# KiCad board smoothiev2-prime.kicad_pcb (continued)
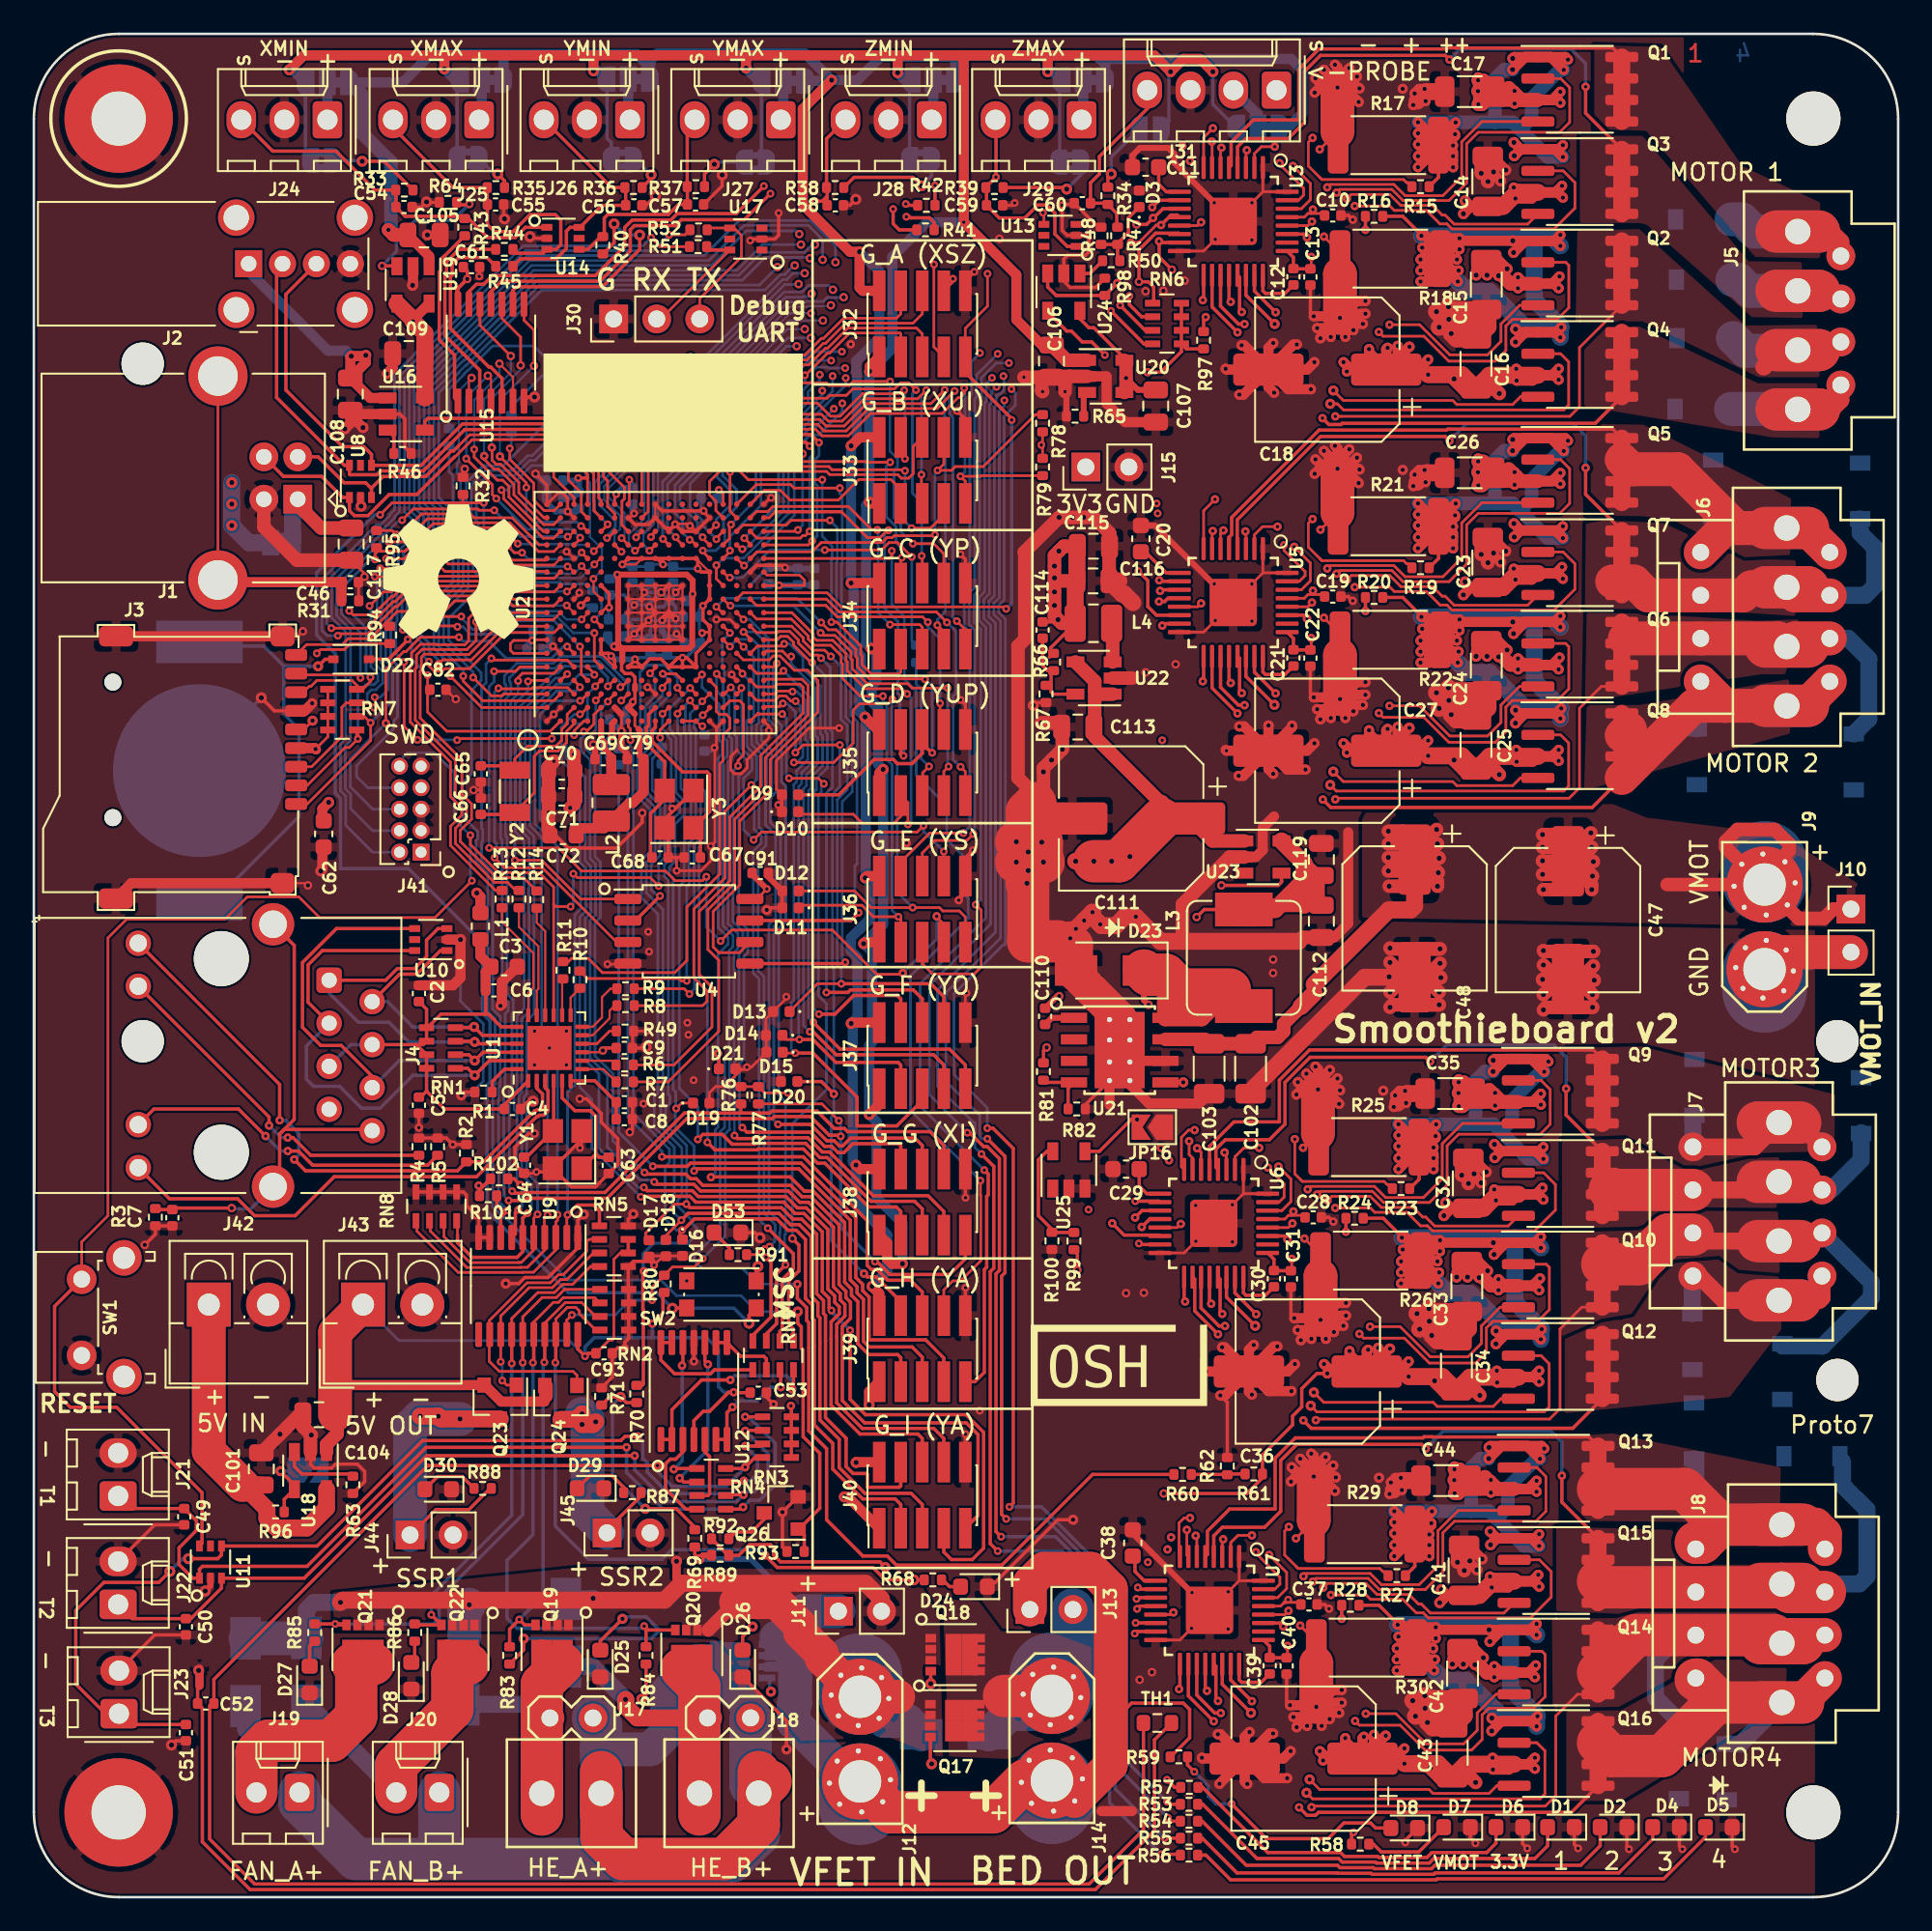
[diagram p0: board, top side]
## Placement (name value [footprint] x y rotation side) (continued)
R21  R  [R_2512_6332Metric]  79.92 80.93 180 top
R22  R  [R_2512_6332Metric]  80.03 74.23 180 top
R23  47R  [R_0402_1005Metric]  80.67 41.83 180 top
R24  47R  [R_0402_1005Metric]  77.93 40.08 180 top
R25  R  [R_2512_6332Metric]  78.77 44.28 180 top
R26  R  [R_2512_6332Metric]  78.88 37.58 180 top
R27  47R  [R_0402_1005Metric]  80.42 18.98 180 top
R28  47R  [R_0402_1005Metric]  77.68 17.23 180 top
R29  R  [R_2512_6332Metric]  78.52 21.43 180 top
R30  R  [R_2512_6332Metric]  78.63 14.73 180 top
R31  DNP  [R_0402_1005Metric]  18.66 76.53 0 top
R32  10k  [R_0402_1005Metric]  25.32 83.31 270 top
R33  10k  [R_0402_1005Metric]  21.86 100.78 180 top
R34  10k  [R_0402_1005Metric]  63.37 100.44 270 top
R35  10k  [R_0402_1005Metric]  27.26 100.93 180 top
R36  10k  [R_0402_1005Metric]  35.38 100.93 180 top
R37  10k  [R_0402_1005Metric]  39.06 100.98 180 top
R38  10k  [R_0402_1005Metric]  47.28 100.93 180 top
R39  10k  [R_0402_1005Metric]  56.68 100.93 180 top
R40  1k  [R_0402_1005Metric]  33.57 97.52 90 top
R41  1k  [R_0402_1005Metric]  52.61 98.43 0 top
R42  1k  [R_0402_1005Metric]  52.66 99.88 0 top
R43  1k  [R_0402_1005Metric]  25.42 98.59 90 top
R44  1k  [R_0402_1005Metric]  27.76 97.28 0 top
R45  1k  [R_0402_1005Metric]  27.76 96.28 0 top
R46  4.7k  [R_0402_1005Metric]  21.75 85.23 0 top
R47  7.1k  [R_0402_1005Metric]  63.95 98.08 90 top
R48  1k  [R_0402_1005Metric]  62.97 98.08 270 top
R49  10k  [R_0402_1005Metric]  34.88 51.13 0 top
R50  1k  [R_0402_1005Metric]  63.57 96.61 0 top
R51  100R  [R_0402_1005Metric]  39.19 97.44 0 top
R52  100R  [R_0402_1005Metric]  39.22 98.43 0 top
R53  1k  [R_0402_1005Metric]  68.16 5.48 0 top
R54  1k  [R_0402_1005Metric]  68.16 4.48 0 top
R55  1k  [R_0402_1005Metric]  68.16 3.48 0 top
R56  1k  [R_0402_1005Metric]  68.16 2.48 0 top
R57  1k  [R_0402_1005Metric]  68.18 6.48 0 top
R58  10k  [R_0402_1005Metric]  78.26 3.13 0 top
R59  10k  [R_0402_1005Metric]  67.56 8.28 0 top
R60  1k  [R_0402_1005Metric]  67.78 24.95 180 top
R61  100k  [R_0402_1005Metric]  71.98 24.98 180 top
R62  10k  [R_0402_1005Metric]  70.42 25.45 90 top
R63  4.7k  [R_0402_1005Metric]  18.82 24.34 270 top
R64  21.5k  [R_0402_1005Metric]  24.43 100.06 180 top
R65  21.5k  [R_0402_1005Metric]  61.43 87.43 180 top
R66  21.5k  [R_0402_1005Metric]  60.17 72.92 270 top
R67  4.7k  [R_0402_1005Metric]  59.72 71.03 270 top
R68  1k  [R_0402_1005Metric]  53.05 18.73 180 top
R69  100k  [R_0402_1005Metric]  38.99 21.18 270 top
R70  1k  [R_0402_1005Metric]  35.57 29.7 270 top
R71  10k  [R_0402_1005Metric]  33.5 29.56 270 top
R72  100R  [R_0402_1005Metric]  51.14 69.17 270 bottom
R73  100R  [R_0402_1005Metric]  52.07 73.39 270 bottom
R74  100R  [R_0402_1005Metric]  24.5 86.19 90 bottom
R75  100R  [R_0402_1005Metric]  28.17 86.97 90 bottom
R76  1k  [R_0402_1005Metric]  41.72 47.34 90 top
R77  1k  [R_0402_1005Metric]  42.74 47.34 90 top
R78  1k  [R_0402_1005Metric]  59.52 87.02 270 top
R79  1k  [R_0402_1005Metric]  59.52 84.43 90 top
R80  10k  [R_0402_1005Metric]  37.2 36.2 270 top
R81  10k  [R_0402_1005Metric]  59.57 48.74 270 top
R82  3.24k  [R_0402_1005Metric]  61.54 46.53 0 top
R83  1k  [R_0402_1005Metric]  28.07 14.27 90 top
R84  1k  [R_0402_1005Metric]  36.12 14.27 90 top
R85  1k  [R_0402_1005Metric]  16.57 15.62 90 top
R86  1k  [R_0402_1005Metric]  22.47 15.62 90 top
R87  1k  [R_0402_1005Metric]  35.31 23.88 180 top
R88  1k  [R_0402_1005Metric]  26.48 24.13 180 top
R89  21.5k  [R_0402_1005Metric]  40.49 20.18 180 top
R90  10k  [R_0402_1005Metric]  32.97 76.63 90 bottom
R91  1k  [R_0402_1005Metric]  41.55 37.93 180 top
R92  10k  [R_0402_1005Metric]  40.49 21.16 180 top
R93  10k  [R_0402_1005Metric]  44.95 20.41 0 top
R94  10k  [R_0402_1005Metric]  21 74.52 270 top
R95  10k  [R_0402_1005Metric]  20.22 80.17 90 top
R96  10k  [R_0402_1005Metric]  14.26 22.74 180 top
R97  8.2k  [R_0402_1005Metric]  69.02 91.91 270 top
R98  1k  [R_0402_1005Metric]  63.2 95.06 270 top
R99  56k  [R_0402_1005Metric]  61.37 38.73 270 top
R100  21.5k  [R_0402_1005Metric]  60.07 38.74 90 top
R101  10k  [R_0402_1005Metric]  26.81 41.41 180 top
R102  10k  [R_0402_1005Metric]  27.45 42.41 180 top
RN1  49.9R  [R_Array_Concave_4x0603]  24.02 50.13 180 top
RN2  10k  [R_Array_Concave_4x0603]  34.24 34.68 180 top
RN3  4.7k  [R_Array_Concave_4x0603]  43.85 27.16 0 top
RN4  4.7k  [R_Array_Concave_4x0603]  39.97 24.11 180 top
RN5  10k  [R_Array_Concave_4x0603]  34.22 38.43 180 top
RN6  10k  [R_Array_Concave_4x0603]  66.86 92.9 0 top
RN7  10k  [R_Array_Concave_4x0603]  18.2 70.11 0 top
RN8  10k  [R_Array_Concave_4x0603]  23.75 40.78 270 top
RN9  4.7k  [R_Array_Concave_4x0603]  43.62 31.98 270 top
SW1  SW_Push  [SW_Tactile_SPST_Angled_PTS645Vx58-2LFS]  2.82 31.98 90 top
SW2  TS-1185EC-C-D-B  [SW_Push_1P1T_NO_CK_KMR2]  40.57 35.58 180 top
TH1  ~  [R_0603_1608Metric]  66.3 10.28 0 top
U1  LAN8720A  [QFN-24-1EP_4x4mm_P0.5mm_EP2.6x2.6mm]  30.42 50.13 90 top
U2  STM32H745XIHx  [TFBGA-265_14x14mm_Layout17x17_P0.8mm]  36.67 75.83 90 top
U3  TMC2590  [TMC2590-TA-T]  70.77 98.93 270 top
U4  AT25SF081-SSHF-X  [SOIC-8_5.23x5.23mm_P1.27mm]  38.65 57.02 0 top
U5  TMC2590  [TMC2590-TA-T]  70.77 76.43 270 top
U6  TMC2590  [TMC2590-TA-T]  69.62 39.78 270 top
U7  TMC2590  [TMC2590-TA-T]  69.37 16.93 270 top
U8  TPD4E1U06DCKR  [SOT-363_SC-70-6]  19.27 83.58 90 top
U9  74HCT541  [TSSOP-20_4.4x6.5mm_P0.65mm]  29.17 36.08 270 top
U10  TPD4E1U06DCKR  [SOT-363_SC-70-6]  23.42 56.53 180 top
U11  TPD4E1U06DCKR  [SOT-363_SC-70-6]  10.42 19.78 90 top
U12  LMV324  [TSSOP-14_4.4x5mm_P0.65mm]  38.95 29.88 90 top
U13  TPD4E1U06DCKR  [SOT-363_SC-70-6]  60.55 98.11 180 top
U14  TPD4E1U06DCKR  [SOT-363_SC-70-6]  31.22 97.93 0 top
U15  74LCX07  [TSSOP-14_4.4x5mm_P0.65mm]  26.97 91.18 90 top
U16  MT9700  [SOT-23-5]  21.97 87.56 0 top
U17  TPD4E1U06DCKR  [SOT-363_SC-70-6]  42.01 97.89 180 top
U18  MT9700  [SOT-23-5]  16.32 25.18 270 top
U19  MT9700  [SOT-23-5]  22.37 95.18 270 top
U20  MT9700  [SOT-23-5]  63.24 89.78 0 top
U21  TPS5430DDA  [TI_SO-PowerPAD-8_ThermalVias]  64.07 50 0 top
U22  MT3410L  [SOT-23-5]  62.55 71.97 180 top
U23  AP22814AW5  [SOT-23-5]  72.52 61.41 0 top
U24  LMV331  [SOT-23-5]  60.77 94.75 270 top
U25  BD4722G  [SOT-23-5]  61.07 42.93 90 top
Y1  Crystal_GND24  [Crystal_SMD_3225-4Pin_3.2x2.5mm]  31.47 44.13 90 top
Y2  Crystal  [Crystal_SMD_3215-2Pin_3.2x1.5mm]  28.37 65.28 90 top
Y3  Crystal_GND24  [Crystal_SMD_3225-4Pin_3.2x2.5mm]  38.07 64.23 90 top

## Footprints (pads in the part's own frame, mm; a bottom-side part is the same pattern mirrored in y, then rotated)
BatteryHolder_LINX_BAT-HLD-012-SMT
  rect 2.5x5.1 smd: 1(-7.6,0) 1(7.6,0)
  round 10.2 smd: 2(0,0)
C_0402_1005Metric
  rrect 0.56x0.62 smd: 1(-0.48,0) 2(0.48,0)
C_0603_1608Metric
  rrect 0.9x0.95 smd: 1(-0.775,0) 2(0.775,0)
C_0805_2012Metric
  rrect 1x1.45 smd: 1(-0.95,0) 2(0.95,0)
C_1206_3216Metric
  rrect 1.15x1.8 smd: 1(-1.475,0) 2(1.475,0)
CONN_MOTOR
  oval 2.5x5 hole 1.5: 1(-5.25,2.54) 2(-1.75,2.54) 3(1.75,2.54) 4(5.25,2.54)
  round 1.7 hole 1: 1(-3.81,0) 2(-1.27,0) 3(1.27,0) 4(3.81,0)
CONN_MOTOR2
  oval 2.5x5 hole 1.5: 1(-5.25,2.54) 2(-1.75,2.54) 3(1.75,2.54) 4(5.25,2.54)
  round 1.7 hole 1: 1(-3.81,7.62) 1(-3.81,0) 2(-1.27,7.62) 2(-1.27,0) 3(1.27,7.62) 3(1.27,0) 4(3.81,7.62) 4(3.81,0)
CONN_SFET
  oval 2.5x5 hole 1.5: 1(-1.75,4.445) 2(1.75,4.445)
  round 1.7 hole 1: 1(-1.27,0) 2(1.27,0)
CP_Elec_8x11.9
  rrect 4.15x1.9 smd: 1(-3.475,0) 2(3.475,0)
Crystal_SMD_3215-2Pin_3.2x1.5mm
  rect 1x1.8 smd: 1(1.25,0) 2(-1.25,0)
Crystal_SMD_3225-4Pin_3.2x2.5mm
  rect 1.4x1.2 smd: 1(-1.1,-0.85) 2(1.1,-0.85) 3(1.1,0.85) 4(-1.1,0.85)
D_0402_1005Metric
  rrect 0.59x0.64 smd: 1(-0.485,0) 2(0.485,0)
D_SMA
  rect 2.5x1.8 smd: 1(-2,0) 2(2,0)
D_SOD-123
  rect 0.9x1.2 smd: 1(-1.65,0) 2(1.65,0)
D_SOD-323
  rect 0.6x0.45 smd: 1(-1.05,0) 2(1.05,0)
L_0603_1608Metric
  rrect 0.875x0.95 smd: 1(-0.787,0) 2(0.787,0)
L_1008_2520Metric
  rrect 1.25x2.2 smd: 1(-1.075,0) 2(1.075,0)
L_Sumida_CDMC6D28_7.25x6.5mm
  rect 2x3.4 smd: 1(-2.85,0) 2(2.85,0)
LED_0603_1608Metric
  rrect 0.875x0.95 smd: 1(-0.787,0) 2(0.787,0)
Molex_KK-254_AE-6410-02A_1x02_P2.54mm_Vertical
  rrect 1.74x2.19 hole 1.19: 1(0,0)
  oval 1.74x2.19 hole 1.19: 2(2.54,0)
Molex_KK-254_AE-6410-03A_1x03_P2.54mm_Vertical
  rrect 1.74x2.19 hole 1.19: 1(0,0)
  oval 1.74x2.19 hole 1.19: 2(2.54,0) 3(5.08,0)
Molex_KK-254_AE-6410-04A_1x04_P2.54mm_Vertical
  rrect 1.74x2.19 hole 1.19: 1(0,0)
  oval 1.74x2.19 hole 1.19: 2(2.54,0) 3(5.08,0) 4(7.62,0)
MountingHole_3.2mm_M3
  round 3.2 hole 3.2 unplated: (0,0)
MountingHole_3.2mm_M3_Pad
  round 6.4 hole 3.2: 1(0,0)
NetTie-2_SMD_Pad0.5mm
  round 0.5 smd: 1(-0.5,0) 2(0.5,0)
NetTie-2_SMD_Pad2.0mm
  round 2 smd: 1(-1.3,0) 2(1.3,0)
PinHeader_1x02_P2.54mm_Vertical
  rect 1.7x1.7 hole 1: 1(0,0)
  oval 1.7x1.7 hole 1: 2(0,-2.54)
PinHeader_1x03_P2.54mm_Vertical
  rect 1.7x1.7 hole 1: 1(0,0)
  oval 1.7x1.7 hole 1: 2(0,-2.54) 3(0,-5.08)
PinHeader_2x05_P1.27mm_Vertical
  rect 1x1 hole 0.65: 1(0,0)
  oval 1x1 hole 0.65: 2(1.27,0) 3(0,-1.27) 4(1.27,-1.27) 5(0,-2.54) 6(1.27,-2.54) 7(0,-3.81) 8(1.27,-3.81) 9(0,-5.08) 10(1.27,-5.08)
PinHeader_2x05_P1.27mm_Vertical_SMD
  rect 2.4x0.74 smd: 1(-1.95,2.54) 2(1.95,2.54) 3(-1.95,1.27) 4(1.95,1.27) 5(-1.95,0) 6(1.95,0) 7(-1.95,-1.27) 8(1.95,-1.27) 9(-1.95,-2.54) 10(1.95,-2.54)
QFN-24-1EP_4x4mm_P0.5mm_EP2.6x2.6mm
  rrect 1.05x1.05 smd: (-0.65,0.65) (-0.65,-0.65) (0.65,0.65) (0.65,-0.65)
  rrect 0.825x0.25 smd: 1(-1.938,1.25) 2(-1.938,0.75) 3(-1.938,0.25) 4(-1.938,-0.25) 5(-1.938,-0.75) 6(-1.938,-1.25) 13(1.938,-1.25) 14(1.938,-0.75) 15(1.938,-0.25) 16(1.938,0.25) 17(1.938,0.75) 18(1.938,1.25)
  rrect 0.25x0.825 smd: 7(-1.25,-1.938) 8(-0.75,-1.938) 9(-0.25,-1.938) 10(0.25,-1.938) 11(0.75,-1.938) 12(1.25,-1.938) 19(1.25,1.938) 20(0.75,1.938) 21(0.25,1.938) 22(-0.25,1.938) 23(-0.75,1.938) 24(-1.25,1.938)
  rect 2.6x2.6 smd: 25(0,0)
R_0402_1005Metric
  rrect 0.54x0.64 smd: 1(-0.51,0) 2(0.51,0)
R_0603_1608Metric
  rrect 0.8x0.95 smd: 1(-0.825,0) 2(0.825,0)
R_2512_6332Metric
  rrect 1.225x3.35 smd: 1(-2.962,0) 2(2.962,0)
R_Array_Concave_4x0603
  rect 0.9x0.4 smd: 1(-0.85,1.2) 2(-0.85,0.4) 3(-0.85,-0.4) 4(-0.85,-1.2) 5(0.85,-1.2) 6(0.85,-0.4) 7(0.85,0.4) 8(0.85,1.2)
RJ45_Hanrun_HR911105A
  round 3.25 hole 3.25 unplated: (-1.275,-6.36) (10.155,-6.36)
  rrect 1.5x1.5 hole 0.9: 1(0,0)
  round 1.5 hole 0.9: 2(1.26,2.54) 3(2.54,0) 4(3.8,2.54) 5(5.08,0) 6(6.34,2.54) 7(7.62,0) 8(8.88,2.54)
  round 1.5 hole 1.02: 9(-2.185,-11.26) 10(0.355,-11.26) 11(8.525,-11.26) 12(11.065,-11.26)
  round 2.5 hole 1.63: SH(-3.305,-3.31) SH(12.185,-3.31)
SOIC-8_3.9x4.9mm_P1.27mm
  rrect 1.95x0.6 smd: 1(-2.475,1.905) 2(-2.475,0.635) 3(-2.475,-0.635) 4(-2.475,-1.905) 5(2.475,-1.905) 6(2.475,-0.635) 7(2.475,0.635) 8(2.475,1.905)
SOIC-8_5.23x5.23mm_P1.27mm
  rrect 1.6x0.6 smd: 1(-3.6,1.905) 2(-3.6,0.635) 3(-3.6,-0.635) 4(-3.6,-1.905) 5(3.6,-1.905) 6(3.6,-0.635) 7(3.6,0.635) 8(3.6,1.905)
SolderJumper-2_P1.3mm_Bridged2Bar_Pad1.0x1.5mm
  rect 1x1.5 smd: 1(-0.65,0) 2(0.65,0)
SolderJumper-2_P1.3mm_Bridged2Bar_RoundedPad1.0x1.5mm
  custom 1x1.5 smd: 1(-0.65,0) 2(0.65,0)
SolderJumper-2_P1.3mm_Open_RoundedPad1.0x1.5mm
  custom 1x1.5 smd: 1(-0.65,0) 2(0.65,0)
SolderJumper-2_P1.3mm_Open_TrianglePad1.0x1.5mm
  custom 1.5x1.5 smd: 1(-0.725,0)
  custom 1.15x1.5 smd: 2(0.725,0)
SolderJumper-3_P1.3mm_Bridged12_RoundedPad1.0x1.5mm
  custom 1.05x1.5 smd: 1(-1.3,0) 3(1.3,0)
  rect 1x1.5 smd: 2(0,0)
SOT-23
  rect 0.9x0.8 smd: 1(-1,0.95) 2(-1,-0.95) 3(1,0)
SOT-23-5
  rect 1.06x0.65 smd: 1(-1.1,0.95) 2(-1.1,0) 3(-1.1,-0.95) 4(1.1,-0.95) 5(1.1,0.95)
SOT-363_SC-70-6
  rect 0.65x0.4 smd: 1(-0.95,0.65) 2(-0.95,0) 3(-0.95,-0.65) 4(0.95,-0.65) 5(0.95,0) 6(0.95,0.65)
Stencil8_2.5mm
  round 2.5 hole 2.5 unplated: (0,0)
SW_Push_1P1T_NO_CK_KMR2
  rect 0.9x1 smd: 1(-2.05,0.8) 1(2.05,0.8) 2(-2.05,-0.8) 2(2.05,-0.8)
SW_Tactile_SPST_Angled_PTS645Vx58-2LFS
  round 2.1 hole 1.3: (-1.25,-2.49) (5.76,-2.49)
  round 1.75 hole 0.99: 1(0,0) 2(4.5,0)
TerminalBlock_4Ucon_1x02_P3.50mm_Vertical
  rect 2.6x2.6 hole 1.3: 1(0,0)
  round 2.6 hole 1.3: 2(3.5,0)
TF-01A
  round 1 hole 1 unplated: (-3.76,4.95) (-3.76,-3.05)
  rrect 1.3x0.7 smd: 1(7.056,-2.245) 2(7.056,-1.145) 3(7.056,-0.045) 4(7.056,1.055) 5(7.056,2.155) 6(7.056,3.255) 7(7.056,4.355) 8(7.056,5.455) 9(7.056,6.555)
  rrect 1.4x1.2 smd: 10(6.256,7.655) 11(6.25,-6.92)
  rrect 2x1.2 smd: 11(-3.58,-7.83) 11(-3.57,7.656)
TFBGA-265_14x14mm_Layout17x17_P0.8mm
  round 0.325 smd: A1(-6.4,6.4) A2(-5.6,6.4) A3(-4.8,6.4) A4(-4,6.4) A5(-3.2,6.4) A6(-2.4,6.4) A7(-1.6,6.4) A8(-0.8,6.4) A9(0,6.4) A10(0.8,6.4) A11(1.6,6.4) A12(2.4,6.4) A13(3.2,6.4) A14(4,6.4) A15(4.8,6.4) A16(5.6,6.4) A17(6.4,6.4) B1(-6.4,5.6) B2(-5.6,5.6) B3(-4.8,5.6) B4(-4,5.6) B5(-3.2,5.6) B6(-2.4,5.6) B7(-1.6,5.6) B8(-0.8,5.6) B9(0,5.6) B10(0.8,5.6) B11(1.6,5.6) B12(2.4,5.6) B13(3.2,5.6) B14(4,5.6) B15(4.8,5.6) B16(5.6,5.6) B17(6.4,5.6) C1(-6.4,4.8) C2(-5.6,4.8) C3(-4.8,4.8) C4(-4,4.8) C5(-3.2,4.8) C6(-2.4,4.8) C7(-1.6,4.8) C8(-0.8,4.8) C9(0,4.8) C10(0.8,4.8) C11(1.6,4.8) C12(2.4,4.8) C13(3.2,4.8) C14(4,4.8) C15(4.8,4.8) C16(5.6,4.8) C17(6.4,4.8) D1(-6.4,4) D2(-5.6,4) D3(-4.8,4) D4(-4,4) D5(-3.2,4) D6(-2.4,4) D7(-1.6,4) D8(-0.8,4) D9(0,4) D10(0.8,4) D11(1.6,4) D12(2.4,4) D13(3.2,4) D14(4,4) D15(4.8,4) D16(5.6,4) D17(6.4,4) E1(-6.4,3.2) E2(-5.6,3.2) E3(-4.8,3.2) E4(-4,3.2) E5(-3.2,3.2) E6(-2.4,3.2) E7(-1.6,3.2) E8(-0.8,3.2) E9(0,3.2) E10(0.8,3.2) E11(1.6,3.2) E12(2.4,3.2) E13(3.2,3.2) E14(4,3.2) E15(4.8,3.2) E16(5.6,3.2) E17(6.4,3.2) F1(-6.4,2.4) F2(-5.6,2.4) F3(-4.8,2.4) F4(-4,2.4) F5(-3.2,2.4) F13(3.2,2.4) F14(4,2.4) F15(4.8,2.4) F16(5.6,2.4) F17(6.4,2.4) G1(-6.4,1.6) G2(-5.6,1.6) G3(-4.8,1.6) G4(-4,1.6) G5(-3.2,1.6) G7(-1.6,1.6) G8(-0.8,1.6) G9(0,1.6) G10(0.8,1.6) G11(1.6,1.6) G13(3.2,1.6) G14(4,1.6) G15(4.8,1.6) G16(5.6,1.6) G17(6.4,1.6) H1(-6.4,0.8) H2(-5.6,0.8) H3(-4.8,0.8) H4(-4,0.8) H5(-3.2,0.8) H7(-1.6,0.8) H8(-0.8,0.8) H9(0,0.8) H10(0.8,0.8) H11(1.6,0.8) H13(3.2,0.8) H14(4,0.8) H15(4.8,0.8) H16(5.6,0.8) H17(6.4,0.8) J1(-6.4,0) J2(-5.6,0) J3(-4.8,0) J4(-4,0) J5(-3.2,0) J7(-1.6,0) J8(-0.8,0) J9(0,0) J10(0.8,0) J11(1.6,0) J13(3.2,0) J14(4,0) J15(4.8,0) J16(5.6,0) J17(6.4,0) K1(-6.4,-0.8) K2(-5.6,-0.8) K3(-4.8,-0.8) K4(-4,-0.8) K5(-3.2,-0.8) K7(-1.6,-0.8) K8(-0.8,-0.8) K9(0,-0.8) K10(0.8,-0.8) K11(1.6,-0.8) K13(3.2,-0.8) K14(4,-0.8) K15(4.8,-0.8) K16(5.6,-0.8) K17(6.4,-0.8) L1(-6.4,-1.6) L2(-5.6,-1.6) L3(-4.8,-1.6) L4(-4,-1.6) L5(-3.2,-1.6) L7(-1.6,-1.6) L8(-0.8,-1.6) L9(0,-1.6) L10(0.8,-1.6) L11(1.6,-1.6) L13(3.2,-1.6) L14(4,-1.6) L15(4.8,-1.6) L16(5.6,-1.6) L17(6.4,-1.6) M1(-6.4,-2.4) M2(-5.6,-2.4) M3(-4.8,-2.4) M4(-4,-2.4) M5(-3.2,-2.4) M13(3.2,-2.4) M14(4,-2.4) M15(4.8,-2.4) M16(5.6,-2.4) M17(6.4,-2.4) N1(-6.4,-3.2) N2(-5.6,-3.2) N3(-4.8,-3.2) N4(-4,-3.2) N5(-3.2,-3.2) N6(-2.4,-3.2) N7(-1.6,-3.2) N8(-0.8,-3.2) N9(0,-3.2) N10(0.8,-3.2) N11(1.6,-3.2) N12(2.4,-3.2) N13(3.2,-3.2) N14(4,-3.2) N15(4.8,-3.2) N16(5.6,-3.2) N17(6.4,-3.2) P1(-6.4,-4) P2(-5.6,-4) P3(-4.8,-4) P4(-4,-4) P5(-3.2,-4) P6(-2.4,-4) P7(-1.6,-4) P8(-0.8,-4) P9(0,-4) P10(0.8,-4) P11(1.6,-4) P12(2.4,-4) P13(3.2,-4) P14(4,-4) P15(4.8,-4) P16(5.6,-4) P17(6.4,-4) R1(-6.4,-4.8) R2(-5.6,-4.8) R3(-4.8,-4.8) R4(-4,-4.8) R5(-3.2,-4.8) R6(-2.4,-4.8) R7(-1.6,-4.8) R8(-0.8,-4.8) R9(0,-4.8) R10(0.8,-4.8) R11(1.6,-4.8) R12(2.4,-4.8) R13(3.2,-4.8) R14(4,-4.8) R15(4.8,-4.8) R16(5.6,-4.8) R17(6.4,-4.8) T1(-6.4,-5.6) T2(-5.6,-5.6) T3(-4.8,-5.6) T4(-4,-5.6) T5(-3.2,-5.6) T6(-2.4,-5.6) T7(-1.6,-5.6) T8(-0.8,-5.6) T9(0,-5.6) T10(0.8,-5.6) T11(1.6,-5.6) T12(2.4,-5.6) T13(3.2,-5.6) T14(4,-5.6) T15(4.8,-5.6) T16(5.6,-5.6) T17(6.4,-5.6) U1(-6.4,-6.4) U2(-5.6,-6.4) U3(-4.8,-6.4) U4(-4,-6.4) U5(-3.2,-6.4) U6(-2.4,-6.4) U7(-1.6,-6.4) U8(-0.8,-6.4) U9(0,-6.4) U10(0.8,-6.4) U11(1.6,-6.4) U12(2.4,-6.4) U13(3.2,-6.4) U14(4,-6.4) U15(4.8,-6.4) U16(5.6,-6.4) U17(6.4,-6.4)
TI_SO-PowerPAD-8_ThermalVias
  rect 1.55x0.6 smd: 1(-2.7,1.905) 2(-2.7,0.635) 3(-2.7,-0.635) 4(-2.7,-1.905) 5(2.7,-1.905) 6(2.7,-0.635) 7(2.7,0.635) 8(2.7,1.905)
  round 0.6 hole 0.3: 9(-0.6,1.8) 9(-0.6,0.6) 9(-0.6,-0.7) 9(-0.6,-1.8) 9(0.6,1.8) 9(0.6,0.6) 9(0.6,-0.7) 9(0.6,-1.8)
  rect 2.6x3.1 smd: 9(0,0)
  rect 2.95x4.5 smd: 9(0,0)
  rect 2.95x4.5 smd far side: 9(0,0)
TMC2590-TA-T
  rrect 1.353x0.25 smd: 1(-3.179,1.75) 2(-3.179,1.25) 3(-3.179,0.75) 4(-3.179,0.25) 5(-3.179,-0.25) 6(-3.179,-0.75) 7(-3.179,-1.25) 8(-3.179,-1.75) 17(3.179,-1.75) 18(3.179,-1.25) 19(3.179,-0.75) 20(3.179,-0.25) 21(3.179,0.25) 22(3.179,0.75) 23(3.179,1.25) 24(3.179,1.75)
  rrect 0.25x1.353 smd: 9(-1.75,-3.179) 10(-1.25,-3.179) 11(-0.75,-3.179) 12(-0.25,-3.179) 13(0.25,-3.179) 14(0.75,-3.179) 15(1.25,-3.179) 16(1.75,-3.179) 25(1.75,3.179) 26(1.25,3.179) 27(0.75,3.179) 28(0.25,3.179) 29(-0.25,3.179) 30(-0.75,3.179) 31(-1.25,3.179) 32(-1.75,3.179)
  rrect 2.794x2.794 smd: 33(0,0)
TSSOP-14_4.4x5mm_P0.65mm
  rrect 1.475x0.4 smd: 1(-2.862,1.95) 2(-2.862,1.3) 3(-2.862,0.65) 4(-2.862,0) 5(-2.862,-0.65) 6(-2.862,-1.3) 7(-2.862,-1.95) 8(2.862,-1.95) 9(2.862,-1.3) 10(2.862,-0.65) 11(2.862,0) 12(2.862,0.65) 13(2.862,1.3) 14(2.862,1.95)
TSSOP-20_4.4x6.5mm_P0.65mm
  rrect 1.475x0.4 smd: 1(-2.862,2.925) 2(-2.862,2.275) 3(-2.862,1.625) 4(-2.862,0.975) 5(-2.862,0.325) 6(-2.862,-0.325) 7(-2.862,-0.975) 8(-2.862,-1.625) 9(-2.862,-2.275) 10(-2.862,-2.925) 11(2.862,-2.925) 12(2.862,-2.275) 13(2.862,-1.625) 14(2.862,-0.975) 15(2.862,-0.325) 16(2.862,0.325) 17(2.862,0.975) 18(2.862,1.625) 19(2.862,2.275) 20(2.862,2.925)
USB_A_Wuerth_614004134726_Horizontal
  rect 1.6x1.6 hole 0.92: 1(0,0)
  round 1.6 hole 0.92: 2(2,0) 3(4,0) 4(6,0)
  round 2.15 hole 1.5: 5(-0.73,2.72) 5(-0.73,-2.72) 5(6.27,2.72) 5(6.27,-2.72)
USB_B_OST_USB-B1HSxx_Horizontal
  rect 1.7x1.7 hole 0.92: 1(0,0)
  round 1.7 hole 0.92: 2(0,-2.5) 3(2,-2.5) 4(2,0)
  round 3.5 hole 2.33: 5(4.71,4.77) 5(4.71,-7.27)
Vishay_PowerPAK_1212-8_Single
  rect 0.99x0.405 smd: 1(-1.435,0.99) 2(-1.435,0.33) 3(-1.435,-0.33) 4(-1.435,-0.99)
  custom 2.235x2.39 smd: 5(0.557,0)
VSON-8_3.3x3.3mm_P0.65mm_NexFET
  rect 0.63x0.5 smd: 1(-1.44,0.97) 2(-1.44,0.33) 3(-1.44,-0.33) 4(-1.44,-0.97) 5(1.44,0.97) 5(1.44,0.33) 5(1.44,-0.33) 5(1.44,-0.97)
  rect 0.95x1.23 smd: 5(-0.09,0.61) 5(-0.09,-0.61) 5(0.86,0.61) 5(0.86,-0.61)
XT30
  round 0.6 hole 0.3: 1(0.7,-0.1) 1(1.156,1.202) 1(1.298,-1.344) 1(2.4,1.8) 1(2.6,-1.8) 1(3.702,1.344) 1(3.844,-1.202) 1(4.3,0.1) 2(-4.2,0.1) 2(-3.773,-1.131) 2(-3.631,1.273) 2(-2.6,-1.7) 2(-2.4,1.7) 2(-1.369,-1.273) 2(-1.227,1.131) 2(-0.8,-0.1)
  oval 6x5 smd far side: 1(2.25,0) 2(-2.25,0)
  round 4.5 hole 2.5: 1(2.5,0) 2(-2.5,0)

## Nets
/1.2V_MCU: C72.1 C73.1 C74.1 C75.1 C76.1 C77.1 C78.1 C79.1 C95.1 C96.1 C97.1 C98.1 C99.1 C100.1 L2.1 U2.A6 U2.A7 U2.C17 U2.D17 U2.G2 U2.U11 U2.U12
/3V3: C9.1 C10.1 C19.1 C28.1 C37.1 C61.1 C62.1 C70.1 C71.1 C80.1 C83.1 C84.1 C85.1 C86.1 C87.1 C88.1 C89.1 C90.1 C91.1 C92.1 C94.1 C107.1 C114.2 C115.1 C116.1 C118.1 J3.4 J15.1 J41.1 L1.2 L4.1 R57.1 R66.1 R76.2 R77.2 R78.2 R79.2 R94.2 R95.2 R97.2 R101.2 R102.2 RN3.5 RN3.6 RN3.7 RN3.8 RN6.5 RN6.6 RN6.7 RN6.8 RN7.1 RN7.2 RN7.3 RN7.4 SW2.2 U1.9 U2.E6 U2.E7 U2.E9 U2.E11 U2.F1 U2.F5 U2.F17 U2.G5 U2.G13 U2.G17 U2.H5 U2.H13 U2.J13 U2.K5 U2.K13 U2.L1 U2.L5 U2.L13 U2.M1 U2.M5 U2.M13 U2.N7 U2.N8 U2.N10 U2.N11 U2.N12 U2.P17 U3.29 U4.8 U5.29 U6.29 U7.29 U15.14 U20.4 U20.5 U24.5
/3V3_LIMIT: C106.1 J32.1 J33.1 J34.1 J35.1 J36.1 J37.1 J38.1 J39.1 J40.1 JP1.3 JP2.3 JP3.3 JP4.3 JP5.3 JP6.3 JP7.1 JP8.3 JP9.1 JP10.1 JP11.1 JP12.1 JP13.1 JP14.1 U20.1
/5V: C53.1 C93.1 C104.1 C109.1 C111.1 C113.1 J43.1 Q23.2 Q24.2 R80.2 RN5.2 RN5.3 U9.20 U12.4 U16.5 U18.1 U19.4 U19.5 U22.1 U22.4 U23.1
/5V_IN: C101.1 J42.1 JP17.2 R96.2 U18.5
/5V_LIMIT: C105.1 J32.2 J33.2 J34.2 J35.2 J36.2 J37.2 J38.2 J39.2 J40.2 JP1.1 JP2.1 JP3.1 JP4.1 JP5.1 JP6.1 JP8.1 U19.1
/mosfets/GND_FET: D48.2 D49.2 D50.2 D51.2 D52.2 J11.2 J12.2 NT9.2 Q17.1 Q17.2 Q17.3 Q18.1 Q18.2 Q18.3 Q19.1 Q19.2 Q19.3 Q20.1 Q20.2 Q20.3 Q21.1 Q21.2 Q21.3 Q22.1 Q22.2 Q22.3
/VBAT: C82.1 D22.1 U2.B1
GND: BT1.2 C1.2 C2.2 C3.2 C4.2 C5.2 C6.2 C7.2 C8.2 C9.2 C10.2 C11.2 C12.1 C14.2 C15.2 C16.2 C17.2 C18.2 C19.2 C20.2 C21.1 C23.2 C24.2 C25.2 C26.2 C27.2 C28.2 C29.2 C30.1 C32.2 C33.2 C34.2 C35.2 C36.2 C37.2 C38.2 C39.1 C41.2 C42.2 C43.2 C44.2 C45.2 C46.2 C47.2 C48.2 C49.2 C50.2 C51.2 C53.2 C54.2 C55.2 C56.2 C57.2 C58.2 C59.2 C60.2 C61.2 C62.2 C63.2 C64.2 C65.2 C66.2 C67.2 C68.2 C69.2 C70.2 C71.2 C72.2 C73.2 C74.2 C75.2 C76.2 C77.2 C78.2 C79.2 C80.2 C81.2 C82.2 C83.2 C84.2 C85.2 C86.2 C87.2 C88.2 C89.2 C90.2 C91.2 C92.2 C93.2 C94.2 C95.2 C96.2 C97.2 C98.2 C99.2 C100.2 C101.2 C102.2 C103.2 C104.2 C105.2 C106.2 C107.2 C108.2 C109.2 C111.2 C112.2 C113.2 C115.2 C116.2 C117.2 C118.2 C119.2 D1.1 D2.1 D3.2 D4.1 D5.1 D6.1 D7.1 D8.1 D9.2 D10.1 D11.2 D12.2 D13.2 D14.2 D15.2 D16.2 D17.2 D18.2 D19.2 D20.2 D21.2 D23.2 D24.1 D25.1 D26.1 D27.1 D28.1 D29.1 D30.1 D32.2 D33.2 D34.2 D35.2 D36.2 D37.2 D38.2 D39.2 D40.2 D41.2 D42.2 D43.2 D44.2 D45.2 D46.2 D47.2 D53.1 H3.1 H4.1 J1.4 J2.4 J3.6 J3.10 J3.11 J9.2 J10.2 J15.2 J21.2 J22.2 J23.2 J24.2 J25.2 J26.2 J27.2 J28.2 J29.2 J30.1 J31.3 J32.10 J33.10 J34.10 J35.10 J36.10 J37.10 J38.10 J39.10 J40.10 J41.3 J41.5 J41.9 J42.2 J43.2 J44.2 J45.2 JP15.2 JP16.1 NT1.2 NT2.2 NT3.2 NT4.2 NT5.2 NT6.2 NT7.2 NT8.2 NT9.1 NT11.2 Q26.2 R1.2 R2.2 R3.2 R4.1 R5.1 R31.2 R32.1 R46.2 R48.1 R49.2 R62.2 R63.2 R64.2 R65.2 R67.2 R71.1 R82.2 R93.1 R98.1 R100.1 RN2.1 RN2.2 RN2.3 RN2.4 RN5.1 RN5.4 RN8.1 RN8.2 RN8.3 RN8.4 SW1.1 U1.25 U2.A1 U2.A17 U2.B2 U2.B6 U2.C10 U2.C13 U2.C16 U2.F2 U2.G7 U2.G8 U2.G9 U2.G10 U2.G11 U2.G16 U2.H7 U2.H8 U2.H9 U2.H10 U2.H11 U2.J3 U2.J7 U2.J8 U2.J9 U2.J10 U2.J11 U2.J16 U2.J17 U2.K7 U2.K8 U2.K9 U2.K10 U2.K11 U2.K15 U2.L7 U2.L8 U2.L9 U2.L10 U2.L11 U2.L15 U2.M15 U2.N1 U2.N16 U2.P1 U2.R4 U2.R8 U2.T12 U2.U1 U2.U17 U3.1 U3.16 U3.32 U3.33 U4.4 U5.1 U5.16 U5.32 U5.33 U6.1 U6.16 U6.32 U6.33 U7.1 U7.16 U7.32 U7.33 U8.2 U9.1 U9.9 U9.10 U10.2 U11.2 U12.11 U13.2 U14.2 U15.7 U16.2 U17.2 U18.2 U19.2 U20.2 U21.6 U21.9 U22.2 U23.2 U24.2 U25.2 U25.3 Y1.2 Y1.4 Y3.2 Y3.4
/ADC1_CH12: D19.1 J39.5 U2.M3
/ADC1_CH13: D21.1 J39.3 U2.M4
/ADC1_CH15: D20.1 J39.4 U2.U2
/ADC3_CH6: D16.1 J40.3 U2.L3
/ADC3_CH8: D17.1 J40.4 U2.K2
/ADC3_CH9: D18.1 J40.5 U2.J5
/BED_FET: RN5.5 U2.D3 U9.2
/BOOT0: R32.2 R90.2 SW2.1 U2.E8
/CARD_DET: J3.9 R94.1 U2.A9
/CS_A: RN6.1 U2.E10 U3.14
/CS_B: RN6.4 U2.F15 U5.14
/CS_C: RN6.3 U2.F16 U6.14
/CS_D: RN6.2 U2.G15 U7.14
/DIR_A: U2.A12 U3.30
/DIR_B: U2.H16 U5.30
/DIR_C: U2.H14 U6.30
/DIR_D: U2.G14 U7.30
/driver-a/COIL_A1: D35.1 J5.4 Q1.5 Q1.6 Q1.7 Q1.8 U3.5
/driver-a/COIL_A2: D34.1 J5.3 Q3.5 Q3.6 Q3.7 Q3.8 U3.4
/driver-a/COIL_B1: D33.1 J5.2 Q2.5 Q2.6 Q2.7 Q2.8 U3.20
/driver-a/COIL_B2: D32.1 J5.1 Q4.5 Q4.6 Q4.7 Q4.8 U3.21
/driver-a/ST_ALONE: U3.26
/driver-b/COIL_A1: D47.1 J6.4 Q5.5 Q5.6 Q5.7 Q5.8 U5.5
/driver-b/COIL_A2: D46.1 J6.3 Q7.5 Q7.6 Q7.7 Q7.8 U5.4
/driver-b/COIL_B1: D45.1 J6.2 Q6.5 Q6.6 Q6.7 Q6.8 U5.20
/driver-b/COIL_B2: D44.1 J6.1 Q8.5 Q8.6 Q8.7 Q8.8 U5.21
/driver-b/ST_ALONE: U5.26
/driver-c/COIL_A1: D39.1 J7.4 Q9.5 Q9.6 Q9.7 Q9.8 U6.5
/driver-c/COIL_A2: D38.1 J7.3 Q11.5 Q11.6 Q11.7 Q11.8 U6.4
/driver-c/COIL_B1: D37.1 J7.2 Q10.5 Q10.6 Q10.7 Q10.8 U6.20
/driver-c/COIL_B2: D36.1 J7.1 Q12.5 Q12.6 Q12.7 Q12.8 U6.21
/driver-c/ST_ALONE: U6.26
/driver-d/COIL_A1: D43.1 J8.4 Q13.5 Q13.6 Q13.7 Q13.8 U7.5
/driver-d/COIL_A2: D42.1 J8.3 Q15.5 Q15.6 Q15.7 Q15.8 U7.4
/driver-d/COIL_B1: D41.1 J8.2 Q14.5 Q14.6 Q14.7 Q14.8 U7.20
/driver-d/COIL_B2: D40.1 J8.1 Q16.5 Q16.6 Q16.7 Q16.8 U7.21
/driver-d/ST_ALONE: U7.26
/ESXMAX: U2.C14 U15.4
/ESXMIN: U2.D13 U15.2
/ESYMAX: U2.D15 U15.8
/ESYMIN: U2.A15 U15.6
/ESZMAX: U2.B16 U15.12
/ESZMIN: U2.A16 U15.10
/ETH_CRSDV: R8.2 U2.R5
/ETH_MDC: R10.2 U2.M2
/ETH_MDIO: R9.2 U2.N3
/ETH_RFCLK: R11.2 U2.N4
/ETH_RXD0: R6.2 U2.T4
/ETH_RXD1: R7.2 U2.U4
/ETH_TXD0: R12.2 U2.D9
/ETH_TXD1: R13.2 U2.C9
/ETH_TXEN: R14.2 U2.B9
/ethernet/ETH_REFGND: C7.1 J4.8 J4.SH R3.1
/ethernet/LED1: J4.12 U1.3
/ethernet/LED2: J4.9 R2.1 U1.2
/ethernet/TXD0: R12.1 U1.17
/ethernet/TXD1: R13.1 U1.18
/ethernet/TXEN: R14.1 U1.16
/expansion/GB_4: J33.4 R74.2
/expansion/GB_5: J33.5 R75.2
/expansion/GD_4: J35.4 R72.2
/expansion/GD_5: J35.5 R73.2
/EXTRAFET: Q26.1 R93.2 U2.C11
/FANA_FET: RN8.7 U2.B4 U9.5
/FANB_FET: RN8.8 U2.F4 U9.6
/FETSENSE: R70.1 U2.K4
/HOTEND_A_FET: RN8.5 U2.C4 U9.3
/HOTEND_B_FET: RN8.6 U2.D5 U9.4
/I2C2_SCL: J38.9 R77.1 U2.G3
/I2C2_SDA: J38.8 R76.1 U2.G4
/I2C3_SCL: J33.9 R79.1 U2.E15
/I2C3_SDA: J33.8 R78.1 U2.T13
/ILED1: R53.1 U2.R13
/ILED2: R54.1 U2.P13
/ILED3: R55.1 U2.P14
/ILED4: R56.1 U2.R14
/MCU_DEBUG_RX: R51.1 U2.B11
/MCU_DEBUG_TX: R52.1 U2.A11
/MCU_RESET: C81.1 J41.10 SW1.2 U1.15 U2.K1 U11.6
/mosfets/BED_GATE: Q17.4 Q18.4 R68.2 RN2.8 U9.18
/mosfets/CUTOFF_GATE: Q26.3 R92.1
/mosfets/FAN2_GATE: Q22.4 R86.2 RN5.8 U9.14
/mosfets/FAN_GATE: Q21.4 R85.2 RN2.5 U9.15
/mosfets/HEA_GATE: Q19.4 R83.2 RN2.7 U9.17
/mosfets/HEB_GATE: Q20.4 R84.2 RN2.6 U9.16
/mosfets/SSR1_G: Q23.1 RN5.7 U9.13
/mosfets/SSR2_G: Q24.1 RN5.6 U9.12
/mosfets/SW_BED: D49.1 J13.2 J14.2 Q17.5 Q18.5
/mosfets/VFET: J11.1 J12.1 J13.1 J14.1 Q25.1 Q25.2 Q25.3 R59.1 R69.2 R89.2
/MOT_EN: U2.D16 U3.15 U5.15 U6.15 U7.15
/MOTSPI_CIPO: J32.8 U2.D1 U3.10 U5.10 U6.10 U7.10
/MOTSPI_COPI: J32.7 U2.E5 U3.11 U5.11 U6.11 U7.11
/MOTSPI_SCK: J32.9 U2.R10 U3.12 U5.12 U6.12 U7.12
/OUTPUTENABLE: R80.1 U2.P8 U9.19
/PA4: D15.1 J37.5 U2.U3
/PB1: D14.1 J37.3 U2.T5
/PB12: J39.9 U2.T14
/PC0: J38.5 U2.L2
/PC13: J40.9 U2.E3
/PD9: J33.3 U2.T17
/PD10: J34.5 U2.T16
/PD12: J34.4 U2.R16
/PD14: J34.3 U2.P16
/PD15: J36.6 U2.P15
/PE4: J40.7 U2.D2
/PE7: D10.2 J35.3 U2.U9
/PE8: D11.1 J36.3 U2.T9
/PF2: J39.6 U2.G1
/PF13: R91.1 U2.P7
/PF15: J38.6 U2.R9
/PG0: J37.6 U2.T8
/PG1: D13.1 J37.8 U2.U8
/PH2: J38.3 U2.N2
/PH3: J38.7 U2.P2
/PH4: J38.4 U2.P3
/PH7: J39.8 U2.U13
/PI8: J40.6 U2.E4
/PI9: J40.8 U2.E2
/PI10: J39.7 U2.F3
/PJ2: J37.9 U2.T6
/PJ3: J37.7 U2.U6
/PJ4: J37.4 U2.U7
/PJ6: J32.3 U2.N15
/PJ7: J36.4 U2.N14
/PJ8: J36.5 U2.N13
/PJ9: J32.4 U2.M14
/PJ10: J32.5 U2.L14
/PJ11: J32.6 U2.K14
/PK0: J33.6 U2.J14
/PK1: J33.7 U2.J15
/power/UVLO: JP16.2 U21.5 U23.4 U25.4
/PROBE: U2.P11 U24.4
/QSPI_CS: U2.B5 U4.1
/QSPI_IO0: U2.R15 U4.5
/QSPI_IO1: U2.L4 U4.2
/QSPI_IO2: U2.C3 U4.3
/QSPI_IO3: U2.R17 U4.7
/QSPI_SCK: U2.R6 U4.6
/SD_CK: J3.5 U2.C12
/SD_CMD: J3.3 RN7.7 U2.D12
/SD_D0: J3.7 RN7.8 U2.E13
/SD_D1: J3.8 R95.1 U2.E14
/SD_D2: J3.1 RN7.6 U2.A13
/SD_D3: J3.2 RN7.5 U2.B13
/SG_A: U2.B8 U3.27
/SG_B: U2.A8 U5.27
/SG_C: U2.B10 U6.27
/SG_D: U2.A10 U7.27
/SPI1_CIPO: J36.8 U2.R3
/SPI1_COPI: J36.7 U2.A5
/SPI1_SCK: D12.1 J36.9 U2.T3
/SSR1: R102.1 U2.A4 U9.7
/SSR2: R101.1 U2.C5 U9.8
/STEP_A: U2.B12 U3.31
/STEP_B: U2.H17 U5.31
/STEP_C: U2.H15 U6.31
/STEP_D: U2.F14 U7.31
/SWCLK: J41.4 U2.B14
/SWDIO: J41.2 U2.C15
/SWO: J41.6 U2.C6
/T1: RN9.1 U2.T1
/T2: RN9.2 U2.R7
/T3: RN9.3 U2.U5
/T4: RN9.4 U2.T7
/TDI: J41.8 U2.A14
/TIM1_CH1: D9.1 J35.6 U2.P9
/TIM1_CH2: J35.7 U2.P10
/TIM1_CH3: J35.8 U2.T10
/TIM1_CH4: J35.9 U2.U10
/TIM8_CH1: J34.6 U2.A3
/TIM8_CH2: J34.7 U2.A2
/TIM8_CH3: J34.8 U2.B3
/TIM8_CH4: J34.9 U2.B15
/USART3_RX: R73.1 U2.P12
/USART3_TX: R72.1 U2.U16
/USART4_RX: R75.1 U2.B17
/USART4_TX: R74.1 U2.D4
/USB_DEV_D+: J1.3 U2.E16 U8.1
/USB_DEV_D-: J1.2 U2.E17 U8.3
/USB_HOST_D+: J2.3 U2.T15 U8.4
/USB_HOST_D-: J2.2 U2.U15 U8.6
/USB_PWR: C108.1 J2.1 U16.1
/USB_PWR_ON: U2.U14 U16.4
/VMOT: C12.2 C13.1 C14.1 C15.1 C16.1 C17.1 C18.1 C21.2 C22.1 C23.1 C24.1 C25.1 C26.1 C27.1 C30.2 C31.1 C32.1 C33.1 C34.1 C35.1 C36.1 C39.2 C40.1 C41.1 C42.1 C43.1 C44.1 C45.1 C47.1 C48.1 C102.1 C103.1 J9.1 J10.1 J31.1 Q1.3 Q2.3 Q3.3 Q4.3 Q5.3 Q6.3 Q7.3 Q8.3 Q9.3 Q10.3 Q11.3 Q12.3 Q13.3 Q14.3 Q15.3 Q16.3 R58.1 R61.1 R99.2 U3.25 U5.25 U6.25 U7.25 U21.7
/VMOTSENSE: R60.2 U2.P4
/XTAL_HSE_IN: C68.1 U2.J2 Y3.3
/XTAL_HSE_OUT: C67.1 U2.J1 Y3.1
/XTAL_LSE_IN: C65.1 U2.C2 Y2.1
/XTAL_LSE_OUT: C66.1 U2.C1 Y2.2
Net-(BT1-Pad1): BT1.1 D22.2
Net-(C1-Pad1): C1.1 C8.1 U1.6
Net-(C2-Pad1): C2.1 C3.1 C4.1 C5.1 C6.1 J4.4 J4.5 L1.1 RN1.5 RN1.6 RN1.7 RN1.8 U1.1 U1.19
Net-(C11-Pad1): C11.1 U3.9
Net-(C13-Pad2): C13.2 U3.24
Net-(C20-Pad1): C20.1 U5.9
Net-(C22-Pad2): C22.2 U5.24
Net-(C29-Pad1): C29.1 U6.9
Net-(C31-Pad2): C31.2 U6.24
Net-(C38-Pad1): C38.1 U7.9
Net-(C40-Pad2): C40.2 U7.24
Net-(C46-Pad1): C46.1 J1.5 J2.5 R31.1
Net-(C49-Pad1): C49.1 J21.1 RN3.1 RN4.1 U11.1
Net-(C50-Pad1): C50.1 J22.1 RN3.2 RN4.2 U11.3
Net-(C51-Pad1): C51.1 J23.1 RN3.3 RN4.3 U11.4
Net-(C52-Pad1): C52.1 RN3.4 RN4.4 TH1.1
Net-(C52-Pad2): C52.2 NT11.1 TH1.2
Net-(C54-Pad1): C54.1 J24.3 R33.2 R43.2 U14.1
Net-(C55-Pad1): C55.1 J25.3 R35.2 R44.2 U14.3
Net-(C56-Pad1): C56.1 J26.3 R36.2 R45.2 U14.6
Net-(C57-Pad1): C57.1 J27.3 R37.2 R40.2 U14.4
Net-(C58-Pad1): C58.1 J28.3 R38.2 R41.2 U13.4
Net-(C59-Pad1): C59.1 J29.3 R39.2 R42.2 U13.1
Net-(C60-Pad1): C60.1 J31.4 R34.2 R47.2
Net-(C63-Pad1): C63.1 U1.5 Y1.1
Net-(C64-Pad1): C64.1 U1.4 Y1.3
Net-(C69-Pad1): C69.1 L2.2 U2.E1
Net-(C110-Pad1): C110.1 D23.1 L3.2 U21.8
Net-(C110-Pad2): C110.2 U21.1
Net-(C112-Pad1): C112.1 C119.1 L3.1 R81.1 U23.5
Net-(C114-Pad1): C114.1 R66.2 R67.1 U22.5
Net-(C117-Pad1): C117.1 J1.1 JP17.1
Net-(D1-Pad2): D1.2 R53.2
Net-(D2-Pad2): D2.2 R54.2
Net-(D3-Pad1): D3.1 R47.1 R48.2 R50.2
Net-(D4-Pad2): D4.2 R55.2
Net-(D5-Pad2): D5.2 R56.2
Net-(D6-Pad2): D6.2 R57.2
Net-(D7-Pad2): D7.2 R58.2
Net-(D8-Pad2): D8.2 R59.2
Net-(D24-Pad2): D24.2 R68.1
Net-(D25-Pad2): D25.2 R83.1
Net-(D26-Pad2): D26.2 R84.1
Net-(D27-Pad2): D27.2 R85.1
Net-(D28-Pad2): D28.2 R86.1
Net-(D29-Pad2): D29.2 R87.2
Net-(D30-Pad2): D30.2 R88.2
Net-(D48-Pad1): D48.1 J17.2 Q19.5
Net-(D50-Pad1): D50.1 J18.2 Q20.5
Net-(D51-Pad1): D51.1 J19.2 Q21.5
Net-(D52-Pad1): D52.1 J20.2 Q22.5
Net-(D53-Pad2): D53.2 R91.2
Net-(J4-Pad1): J4.1 RN1.3 U1.21 U10.3
Net-(J4-Pad2): J4.2 RN1.4 U1.20 U10.1
Net-(J4-Pad3): J4.3 RN1.1 U1.23 U10.6
Net-(J4-Pad6): J4.6 RN1.2 U1.22 U10.4
Net-(J4-Pad10): J4.10 R4.2
Net-(J4-Pad11): J4.11 R5.2
Net-(J17-Pad1): J17.1 J18.1 J19.1 J20.1 Q25.5
Net-(J24-Pad1): J24.1 JP1.2
Net-(J25-Pad1): J25.1 JP2.2
Net-(J26-Pad1): J26.1 JP3.2
Net-(J27-Pad1): J27.1 JP4.2
Net-(J28-Pad1): J28.1 JP5.2
Net-(J29-Pad1): J29.1 JP6.2
Net-(J30-Pad2): J30.2 R51.2 U17.6
Net-(J30-Pad3): J30.3 R52.2 U17.4
Net-(J31-Pad2): J31.2 JP8.2
Net-(J41-Pad7): J41.7
Net-(J44-Pad1): J44.1 Q23.3 R88.1
Net-(J45-Pad1): J45.1 Q24.3 R87.1
Net-(JP7-Pad2): JP7.2 R34.1
Net-(JP9-Pad2): JP9.2 R33.1
Net-(JP10-Pad2): JP10.2 R35.1
Net-(JP11-Pad2): JP11.2 R36.1
Net-(JP12-Pad2): JP12.2 R37.1
Net-(JP13-Pad2): JP13.2 R38.1
Net-(JP14-Pad2): JP14.2 R39.1
Net-(JP15-Pad1): JP15.1 R96.1 U18.4
Net-(L4-Pad2): L4.2 U22.3
Net-(NT1-Pad1): NT1.1 R17.2 U3.28
Net-(NT2-Pad1): NT2.1 R18.2 U3.13
Net-(NT3-Pad1): NT3.1 R21.2 U5.28
Net-(NT4-Pad1): NT4.1 R22.2 U5.13
Net-(NT5-Pad1): NT5.1 R25.2 U6.28
Net-(NT6-Pad1): NT6.1 R26.2 U6.13
Net-(NT7-Pad1): NT7.1 R29.2 U7.28
Net-(NT8-Pad1): NT8.1 R30.2 U7.13
Net-(Q1-Pad1): Q1.1 Q3.1 R15.1 R17.1
Net-(Q1-Pad2): Q1.2 U3.6
Net-(Q1-Pad4): Q1.4 U3.2
Net-(Q2-Pad1): Q2.1 Q4.1 R16.1 R18.1
Net-(Q2-Pad2): Q2.2 U3.19
Net-(Q2-Pad4): Q2.4 U3.23
Net-(Q3-Pad2): Q3.2 U3.7
Net-(Q3-Pad4): Q3.4 U3.3
Net-(Q4-Pad2): Q4.2 U3.18
Net-(Q4-Pad4): Q4.4 U3.22
Net-(Q5-Pad1): Q5.1 Q7.1 R19.1 R21.1
Net-(Q5-Pad2): Q5.2 U5.6
Net-(Q5-Pad4): Q5.4 U5.2
Net-(Q6-Pad1): Q6.1 Q8.1 R20.1 R22.1
Net-(Q6-Pad2): Q6.2 U5.19
Net-(Q6-Pad4): Q6.4 U5.23
Net-(Q7-Pad2): Q7.2 U5.7
Net-(Q7-Pad4): Q7.4 U5.3
Net-(Q8-Pad2): Q8.2 U5.18
Net-(Q8-Pad4): Q8.4 U5.22
Net-(Q9-Pad2): Q9.2 U6.6
Net-(Q9-Pad4): Q9.4 U6.2
Net-(Q10-Pad1): Q10.1 Q12.1 R24.1 R26.1
Net-(Q10-Pad2): Q10.2 U6.19
Net-(Q10-Pad4): Q10.4 U6.23
Net-(Q11-Pad1): Q9.1 Q11.1 R23.1 R25.1
Net-(Q11-Pad2): Q11.2 U6.7
Net-(Q11-Pad4): Q11.4 U6.3
Net-(Q12-Pad2): Q12.2 U6.18
Net-(Q12-Pad4): Q12.4 U6.22
